# Altium PCB WX0.010.983PCB-4.2(1).PcbDoc (part 2 of 2) (continued)
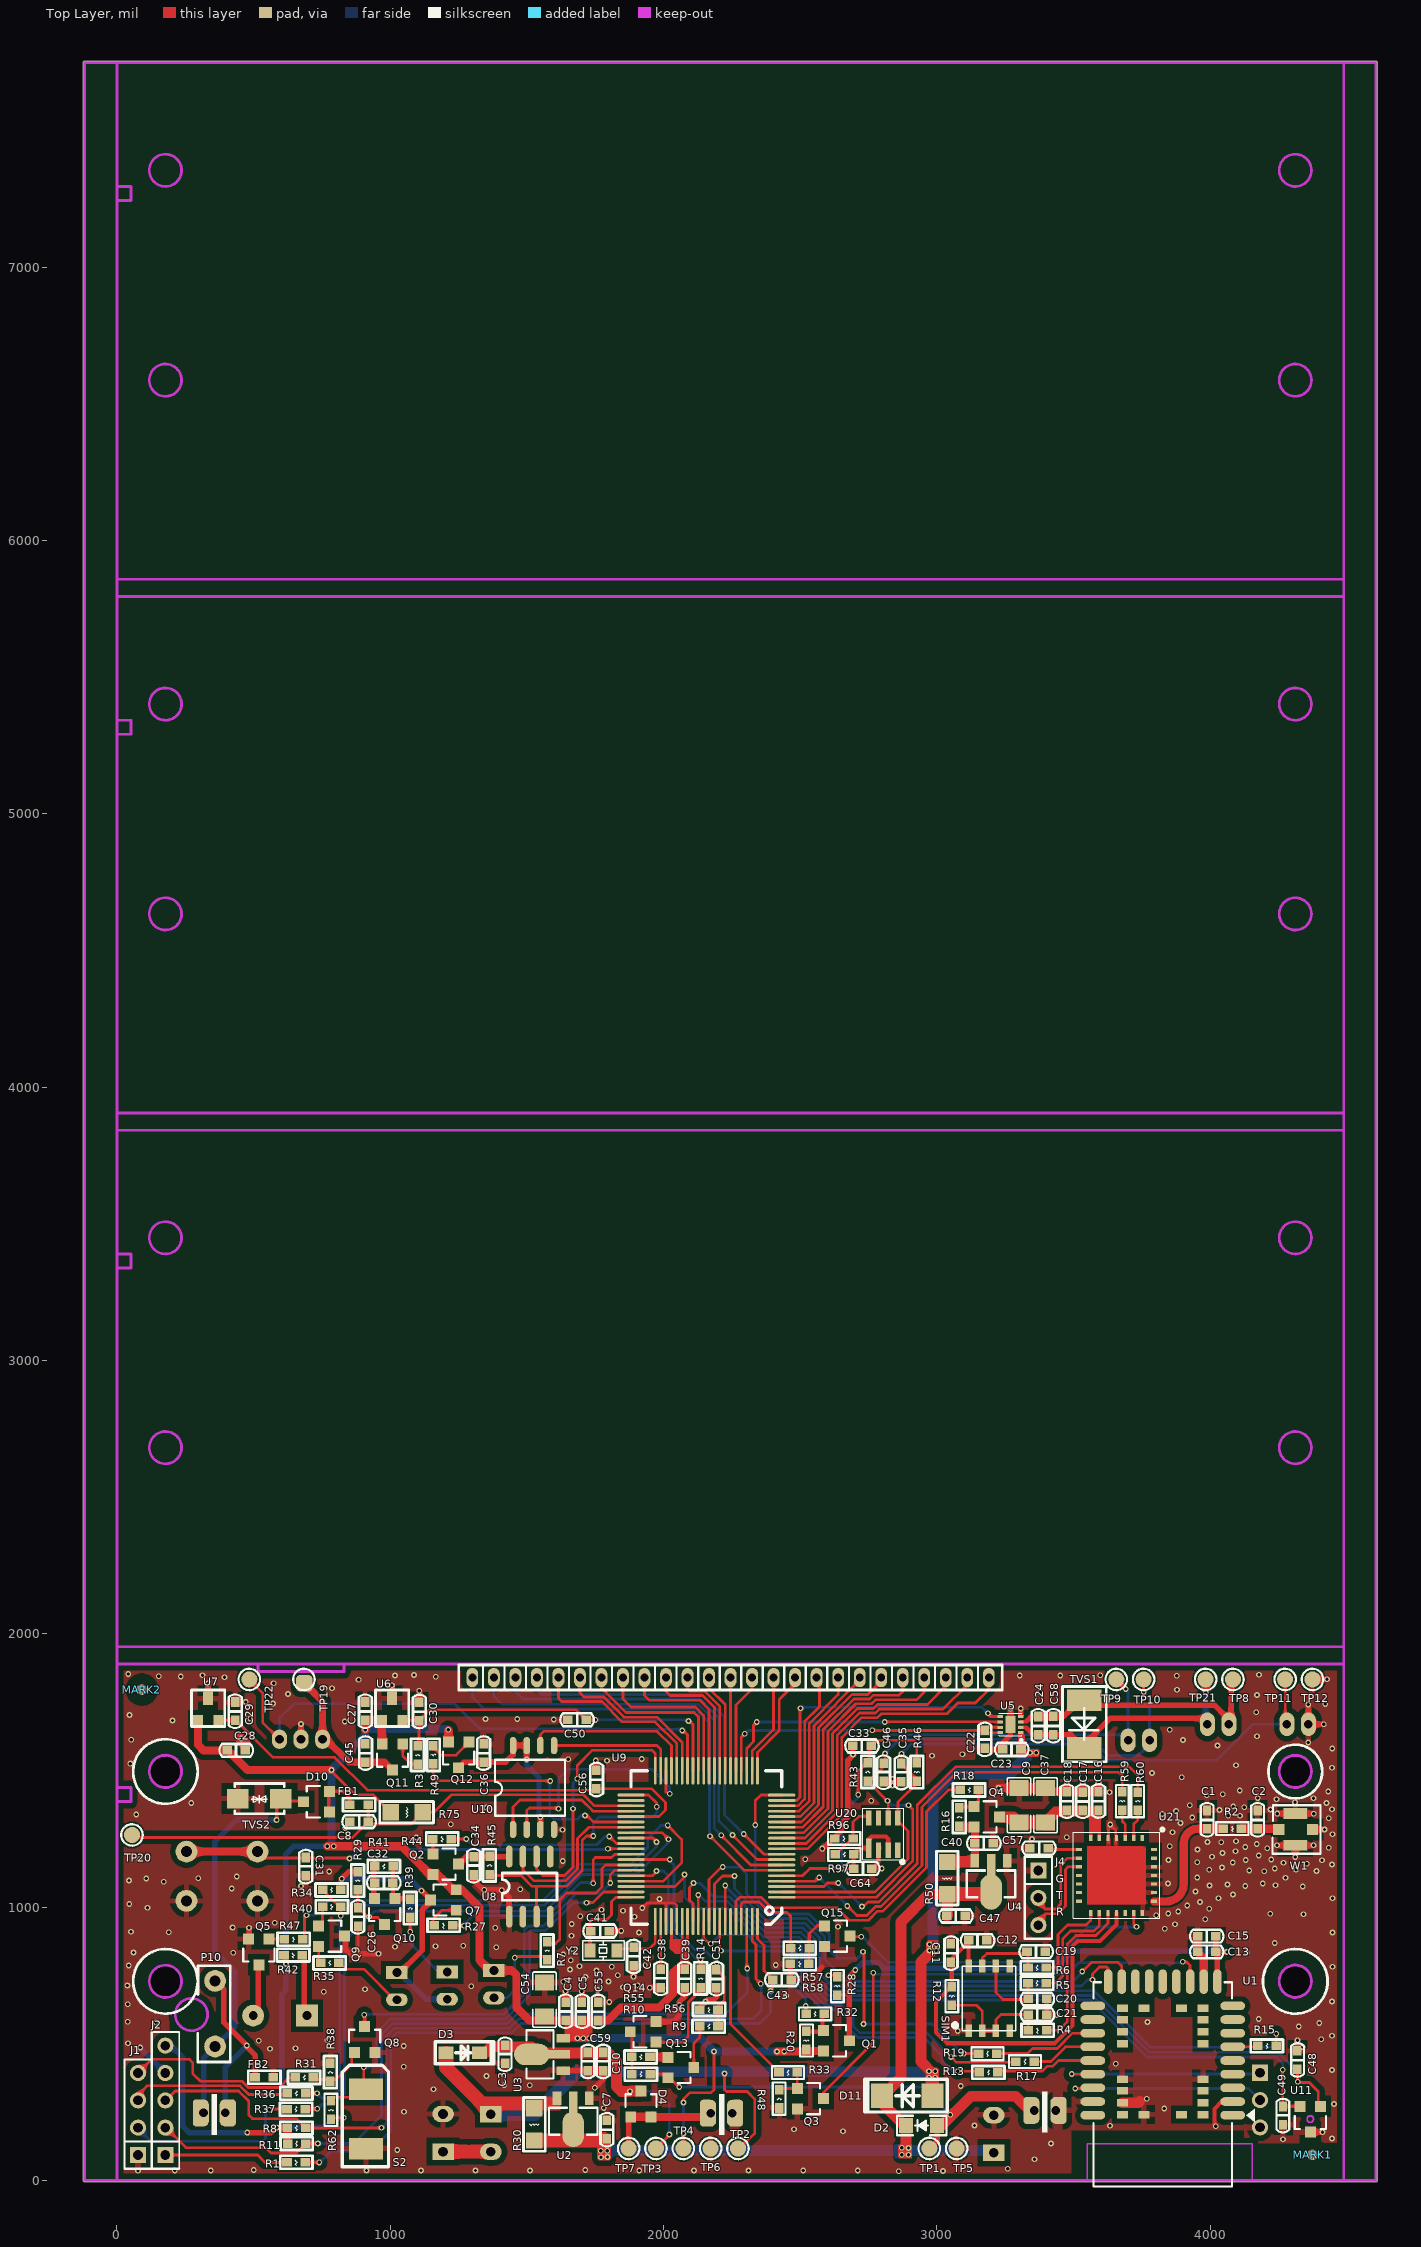
[diagram p0: Top Layer view]
## Nets (pads, with @x,y where several pads share a name; then routed paths per layer and width w, separated by ;. In a path a pad name is that pad's centre, name@x,y a point inside that pad or via, vN(x,y) a via of type N, cw(c..) or ccw(c..) an arc to the next point about the centre after c; other vN are vias at no path point) (continued)
RXD5: U1.17@3676.1,727.22 U9.71 | length 2041.9
  Top Layer w10: U9.71@2166.25,947.42 2166.25,1101.25 v1@2214,1149 ; v1(3531.67,764) 3565.67,798 3662,798 3676.1,783.9 U1.17@3676.1,727.22
  Bottom Layer w10: v1(2216,1147) 2217,1146 2278,1146 2303,1121 2303,1048.08 2393.08,958 2524.17,958 2589,893.17 2589,810 2616,783 2616.25,783 2635,764.25 2635,764 2671,728 3497,728 3534,765 v1@3533,765
S0: LCD1.5 U9.36 | length 677.7
  Top Layer w10: LCD1.5@1614.96,1840 1614.96,1764.04 1627,1752 1773.92,1752 1847.92,1678 1968.82,1678 2048.14,1598.68 U9.36@2048.14,1498.6
S1: LCD1.6 U9.35 | length 609.3
  Top Layer w10: LCD1.6@1693.7,1840 1693.7,1784.3 1709,1769 1780.96,1769 1854.96,1695 1975.87,1695 2067.83,1603.04 U9.35@2067.83,1498.6
S2: LCD1.7 U9.32 | length 635.1
  Top Layer w10: LCD1.7@1772.44,1840 1772.44,1801.56 1862,1712 2111.83,1712 2127.5,1696.33 2127.5,1499.22 U9.32@2126.88,1498.6
S3: LCD1.8 U9.31 | length 601.3
  Top Layer w10: LCD1.8@1851.18,1840 1851.18,1761.82 1881,1732 2115.88,1732 2146.57,1701.31 U9.31@2146.57,1498.6
S4: LCD1.9 U9.30 | length 547.7
  Top Layer w10: LCD1.9@1929.92,1840 1929.92,1774.08 1947,1757 2132,1757 2166.25,1722.75 U9.30@2166.25,1498.6
S5: LCD1.10 U9.29 | length 484
  Top Layer w10: LCD1.10@2008.66,1840 2008.66,1789.34 2024,1774 2142,1774 2185.94,1730.06 U9.29@2185.94,1498.6
S6: LCD1.11 U9.28 | length 422
  Top Layer w10: LCD1.11@2087.4,1840 2087.4,1798.6 2095,1791 2149.04,1791 2205.62,1734.42 U9.28@2205.62,1498.6
S7: LCD1.12 U9.27 | length 365.9
  Top Layer w10: LCD1.12@2166.14,1840 2166.14,1799.86 2225.31,1740.69 U9.27@2225.31,1498.6
S8: LCD1.13 U9.26 | length 338.3
  Top Layer w10: U9.26@2244.88,1501.71 LCD1.13@2244.88,1840
S9: LCD1.14 U9.25 | length 365.8
  Top Layer w10: U9.25@2264.68,1498.6 2264.68,1739.68 2323.62,1798.62 LCD1.14@2323.62,1840
S10: LCD1.15 U9.22 | length 374
  Top Layer w10: U9.22@2323.73,1498.6 2323.73,1570.73 2402.36,1649.36 LCD1.15@2402.36,1840
S11: LCD1.16 U9.21 | length 398.4
  Top Layer w10: U9.21@2343.42,1498.6 2343.42,1566.38 2423,1645.96 2423,1759 2481.1,1817.1 LCD1.16@2481.1,1840
S12: LCD1.17 U9.18 | length 565.5
  Top Layer w10: U9.18@2432,1370.65 2491.31,1370.65 2516,1395.33 2516,1679.04 2570,1733.04 2570,1829.84 LCD1.17@2559.84,1840
S13: LCD1.18 U9.17 | length 611.9
  Top Layer w10: U9.17@2432,1350.96 2495.67,1350.96 2533,1388.29 2533,1672 2638.58,1777.58 LCD1.18@2638.58,1840
S14: LCD1.19 U9.16 | length 666.8
  Top Layer w10: U9.16@2432,1331.28 2500.03,1331.28 2550,1381.25 2550,1663.25 2717.32,1830.57 LCD1.19@2717.32,1840
S15: LCD1.20 U9.15 | length 755.5
  Top Layer w10: U9.15@2432,1311.59 2504.38,1311.59 2567,1374.21 2567,1656.21 2688.79,1778 2746.66,1778 2796.06,1827.4 LCD1.20@2796.06,1840
S16: LCD1.21 U9.14 | length 865.2
  Top Layer w10: U9.14@2432,1291.91 2508.74,1291.91 2584,1367.17 2584,1649.17 2695.83,1761 2753.7,1761 2768.2,1775.5 2861.78,1775.5 2874.8,1788.53 LCD1.21@2874.8,1840
S17: LCD1.22 U9.13 | length 953.2
  Top Layer w10: U9.13@2432,1272.22 2513.1,1272.22 2601,1360.12 2601,1642.12 2702.88,1744 2760.74,1744 2775.24,1758.5 2925.5,1758.5 2953.54,1786.54 LCD1.22@2953.54,1840
S18: LCD1.23 U9.12 | length 1027.4
  Top Layer w10: U9.12@2432,1252.54 2517.45,1252.54 2618,1353.08 2618,1635.08 2709.92,1727 2767.78,1727 2782.28,1741.5 2965.5,1741.5 3032.28,1808.28 LCD1.23@3032.28,1840
S19: LCD1.24 U9.11 | length 1111.5
  Top Layer w10: U9.11@2432,1232.85 2521.81,1232.85 2635,1346.04 2635,1628.04 2716.96,1710 2774.82,1710 2789.32,1724.5 3022.5,1724.5 3111.02,1813.02 LCD1.24@3111.02,1840
S20: LCD1.25 U9.10 | length 1207.9
  Top Layer w10: U9.10@2432,1213.17 2526.17,1213.17 2652,1339 2652,1621 2724,1693 2781.87,1693 2796.37,1707.5 3036.58,1707.5 3076.08,1747 3140,1747 3189.76,1796.76 LCD1.25@3189.76,1840
SET: Q8.3 U9.55 | length 1392.9
  Top Layer w10: v1(905,606) 906,605 Q8.3@906,563.24 ; v1(1805,1088) 1805,1118.7 1820.72,1134.43 U9.55@1880.82,1134.43
  Bottom Layer w10: v1(905,606) 907,608 1414.96,608 1490,683.04 1490,917 1491,917 1505,931 1561.12,931 1680.12,1050 1767,1050 v1(1805,1088)
SIM_CLK: C20.1 R5.1 SIM1.6 | length 283.1
  Top Layer w10: SIM1.6@3215.57,784 3215.57,687.43 3241,662 C20.1@3331.51,662 ; R5.1@3328.09,715.09 3333,720 3333,669 C20.1@3331.51,667.51
SIM_DATA: C21.1 R4.2 R12.1 SIM1.2 SIM1.3 | length 475.7
  Top Layer w10: R12.1@3054,641 3144,641 3165.57,619.43 SIM1.2@3165.57,547.78 ; SIM1.3@3215.57,547.78 3215.57,588.57 3234,607 C21.1@3334.51,607 3334,606.49 R4.2@3334,549
  Top Layer w15: SIM1.2@3165.57,547.78 SIM1.3@3215.57,547.78 ; R4.2@3334.51,541.02 R4.2@3334.51,549
SIM_RST: C19.1 R6.1 SIM1.7 | length 262.7
  Top Layer w10: SIM1.7@3165.57,784 3165.57,813.57 3182.5,830.5 3323.01,830.5 C19.1@3329.51,837 3333,833.51 R6.1@3333,779
SLEEP: C22.2 U5.7 U5.8 U9.24 | length 1140.7
  Top Layer w10: U9.24@2284.36,1498.6 2284.36,1622.36 v1@2294,1632 ; v1(2763,1647) 2763.5,1646.5 3169.48,1646.5 C22.2@3170.49,1647.51 ; C22.2@3165.68,1638.32 U5.8@3231.6,1638.32 ; C22.2@3175,1655 3178,1658 U5.7@3231.6,1658
  Bottom Layer w10: v1(2297,1634) 2309.5,1646.5 2494.5,1646.5 2495,1647 v1(2763,1647)
SWCLK: J2.2 R11.2 U9.78 | length 2844.5
  Top Layer w10: J2.2@177,193 179,193 252,120 544,120 564,100 656,100 R11.2@691,135 v1(735,135) ; U9.78@2304.05,947.42 2304.05,776.95 v1(2306,775)
  Bottom Layer w10: v1(735,135) 864.75,135 968,238.25 968,533.96 1008.04,574 1429.04,574 1463.54,608.5 2226.5,608.5 2306,688 v1(2306,775)
SWIO: J2.3 R8.2 U9.79 | length 2980.8
  Top Layer w10: J2.3@177,293 179,293 213,327 445,327 482,290 482,239 495,226 656,226 R8.2@690,192 967,192 v1(968,193) ; U9.79@2323.73,947.42 2323.73,875.27 2338,861 2338,737.02 v1(2355,720)
  Bottom Layer w10: v1@971,194 985,208 985,526.92 1015.08,557 1436.08,557 1470.58,591.5 2326.8,591.5 2357,621.7 2357,718 v1(2355,720)
TXD5: R28.2 U1.18@3626.1,727.22 U9.72 | length 2002.2
  Top Layer w10: U9.72@2185.94,947.42 2185.94,1084.88 2215.05,1114 2255,1114 v1@2258,1111 ; v1(2603,751) 2629,751 R28.2@2635,745 ; v1(3568.67,734) 3568.67,755.67 3594,781 3621,781 3626.1,775.9 U1.18@3626.1,727.22
  Bottom Layer w10: v1(2259,1114) 2259,1068.04 2386.04,941 2517.12,941 2572,886.12 2572,755.04 2590.02,737.02 ; v1@2599,747 2590.02,738.02 2590.02,737.02 ; v1@3570,733 3551,733 3529,711 2616.04,711 2590.02,737.02
USIM_CLK: R5.2 U21.16 | length 407.8
  Top Layer w10: R5.2@3400,722 3435,722 3460,747 3460,884 3489,913 3574,913 3594.01,933.01 U21.16@3594.01,979.19
USIM_DATA: R4.1 U21.17 | length 591.7
  Top Layer w10: R4.1@3401,549 3445,549 3477,581 3477,865 3508,896 3581.04,896 3611.01,925.97 3611.01,926.5 3625.5,941 U21.17@3625.5,979.19
USIM_RST: R6.2 U21.15 | length 326.1
  Top Layer w10: R6.2@3400,779 3432,779 3443,790 3443,899.5 3478,934.5 3546,934.5 3562.51,951.01 U21.15@3562.51,979.19
USIM_VDD: C11.1 C12.1 R12.2 SIM1.8 U21.18 | length 1552.7
  Top Layer w15: R12.2@3054,708 R12.2@3054,709 ; SIM1.8@3111.08,779.51 SIM1.8@3115.57,784 3115.51,784.07 C12.1@3115.51,872.07 ; C12.1@3115.51,878 C12.1@3115.51,872.07 ; U21.18@3657,979.19 3657,937 3596.5,876.5 3516.08,876.5 3496.5,856.92 3496.5,566.5 3432,502 3036,502 2997,541 2997,652 R12.2@3054,709 ; R12.2@3054,709 3054,795.51 C11.1@3051,798.51 3051,807.56 C12.1@3115.51,872.07
VDD_EXT: C57.1 U21.8 | length 116.4
  Top Layer w10: C57.1@3406.49,1217 3413,1210.49 U21.8@3520.19,1210.49
VDD_XS: C13.1 C15.1 Q1.3 R28.1 U1.10@4026.1,727.22 | length 1926.9
  Top Layer w10: R28.1@2635,678 2676.24,678 2679.24,675
  Top Layer w15: Q1.3@2679.24,511 Q1.3@2683.24,515
  Top Layer w20: Q1.3@2679.24,511 2679.24,675 2679.24,746.24 v1@2696,763 ; C15.1@4020.5,893 C13.1@4020.5,836 ; U1.10@4026.1,727.22 4025,728.32 4025,831.5 C13.1@4020.5,836 ; v1(4061,836) C13.1@4020.5,836
  Bottom Layer w20: v1(2701,770) 2728,797 2785.89,797 2806.89,776 3432.11,776 3495.11,839 4059,839 v1@4062,836
VDD_XS_CTL: R32.1 U9.73 | length 613.4
  Top Layer w10: U9.73@2205.62,947.42 2205.62,844.38 v1(2210,840) v1@2211,839 ; R32.1@2521,610 v1@2521,633
  Bottom Layer w10: v1(2210,840) 2211,839 2466,839 2470,835 2470,712.79 2520,662.79 v1(2520,638)
VIN: D2.1 P1.2 Q13.2 R10.2 TP1.1 | length 1664.1
  Top Layer w10: R10.2@1951,389 2003.35,389 Q13.2@2015.76,376.6 ; Q13.2@2015.76,381.6 2055.35,342 v1(2057.18,342)
  Top Layer w20: TP1.1@2972,117 3001.17,146.17 D2.1@3001.17,195
  Top Layer w40: D2.1@3001.17,195 3011,195 3124,308 3288,308 P1.2@3340,256
  Bottom Layer w10: v1@2060.18,345 v1(2057.18,342) 2945,342 v1@3049,238
  other v1: 3049,240
VIN_ADC: C51.2 R9.2 R56.1 U9.53 | length 867.3
  Top Layer w10: U9.53@1880.82,1173.8 v1(2022,1173.8) ; v1@2194,800 v1(2194,796) 2194,771.51 2221.5,744.01 2221.5,658.37 2199,635.87 R56.1@2199,625 R9.2@2199,564
  Bottom Layer w10: v1(2022,1173.8) 2022,1171 2038,1155 2038,920 2116,842 2150.75,842 2194,798.75 v1(2194,796)
VIN_N: C7.1 C14.1 C47.1 D2.2 D11.2 R30.1 R50.1 U2.2 U4.2 | length 3025.5
  Top Layer w40: 2887,107 2887,195 2798.5,283.5 D11.2@2798.5,310 2802,310 2868,376 2868,946 2969,1047 R50.1@3038,1047 3038,970 C47.1@3036,968 ; C14.1@3205,98 C14.1@3208,101
  Top Layer w50: R30.1@1527,146 1779.49,146 1782,148.51 C7.1@1782,151.51 ; R50.1@3040,1048 U4.2@3173.74,1048
  Bottom Layer w40: v1(1794,109) 3200,109 C14.1@3208,101
  Bottom Layer w50: 1782,100 v1@1795,100
  other v1: 1771,85 1795,86 2871,94 2896,94 1770,109 2896,119 2871,120
WY_POW: C33.2 C64.2 P6.1 R43.1 R46.2 R97.2 TP9.1 U9.5 U20.1 U20.3 | length 2406.6
  Top Layer w10: U9.5@2432,1114.74 2508.74,1114.74 2535,1141 v1(2652,1141) C64.2@2695,1141 ; v1@2711,1416 2711,1497 2742,1528 R43.1@2747,1528 ; R43.1@2747,1534 2754,1534 C33.2@2754,1590 ; C33.2@2759.51,1590 2779.51,1610 v1(2811,1610) 2914,1610 2926,1598 R46.2@2926,1529.36 ; TP9.1@3656,1833 v1(3691,1798)
  Top Layer w15: C64.2@2695,1141 R97.2@2695,1193 ; R97.2@2696,1197 2699,1197 2717.91,1215.91 U20.1@2750.84,1215.91 ; U20.1@2750.84,1227 2750.84,1247.84 2761,1258 2813,1258 2821.71,1249.29 U20.3@2821.71,1214.03
  Bottom Layer w10: v1(2652,1141) 2652,1342 v1@2713,1403 ; v1(2811,1610) 2811,1624 2818,1631 3678.26,1631 P6.1@3699.26,1610 3699.26,1789.74 v1(3691,1798)
  other v1: 2712,1411
WY_SCL: C35.1 P7.1 R46.1 TP11.1 U9.2 U20.5 | length 2634.2
  Top Layer w10: U9.2@2432,1055.68 2773.69,1055.68 2894,1176 2894,1278.14 2857.14,1315 U20.5@2857.14,1326.14 2857.14,1384.14 R46.1@2926,1453 ; v1(2870,1561) 2869,1560 2869,1524.49 2928,1465.49 2928,1461 R46.1@2926,1461 2925,1461 R46.1@2925,1458 ; TP11.1@4274,1833 4274,1675.26 P7.1@4280.26,1669
  Bottom Layer w10: v1(2870,1561) 2906,1597 3558.96,1597 3618.27,1537.69 4024.69,1537.69 4156,1669 P7.1@4280.26,1669
WY_SDA: C46.1 P6.2 R43.2 TP10.1 U9.1 U20.6 | length 2402.8
  Top Layer w10: U9.1@2432,1036 2778.04,1036 2911,1168.96 2911,1358 v1(2896,1373) ; v1(2810,1562) 2811,1561 2811,1520.36 2748.82,1458.18 2821.71,1385.29 v1@2821.71,1384.29 ; U20.6@2821.71,1326.14 v1@2821.71,1383 ; TP10.1@3756,1833 3756,1784 3757,1785 v1(3757,1787)
  Bottom Layer w10: v1(2810,1562) 2862,1614 3566,1614 3625.31,1554.69 3737.69,1554.69 3778,1595 P6.2@3778,1610 3778,1762 3757,1783 v1(3757,1787) ; v1(2819,1389) 2835,1373 v1(2896,1373)
X1: R62.1 S2.1 U9.59 | length 1680.6
  Top Layer w10: R62.1@784,290 798.74,304.74 901.74,304.74 903,306 v1(903,414) 903,420.58 v1@904,421.58 ; v1@1719,1017 1741.3,1017 1779.98,1055.68 U9.59@1880.82,1055.68
  Bottom Layer w10: v1(903,414) 930,414 951,435 951,541 1001,591 1422,591 1510,679 1510,909 1515,914 1568.17,914 1670.17,1016 v1(1718,1016)
XS_R: P8.2 U1.25@3570.2,338.64 | length 758.7
  Top Layer w10: v1(3506,336) 3567.56,336 U1.25@3570.2,338.64
  Bottom Layer w10: v1(3506,336) 4140,336 P8.2@4182,294
XS_RST: R33.1 U9.75 | length 625.7
  Top Layer w10: U9.75@2244.99,947.42 2245,828.75 2244.99,572.01 R33.1@2422,395
XS_T: P8.1 U1.24@3570.2,388.64 | length 766.4
  Top Layer w10: v1@3495,389 3495.36,388.64 U1.24@3570.2,388.64
  Bottom Layer w10: v1(3493,389) 4177,389 P8.1@4182,394
XT1: C42.1 U9.61 Y2.1 | length 240.3
  Top Layer w10: Y2.1@1816,848 1948,848 1969.4,869.4 U9.61@1969.4,947.42
XT2: C41.2 U9.60 Y2.2 | length 367.9
  Top Layer w10: C41.2@1730,924.51 1730,949 1736,955 1793,955 1809,971 1809,1020 1825,1036 U9.60@1880.82,1036 ; Y2.2@1730.57,841 C41.2@1730.57,898.92 ; Y2.2@1731,842.08 C41.2@1731,912
pads on no net: MARK1.0 MARK1.1 MARK2.0 MARK2.1 SIM1.4 SIM1.5 U1.1 U1.2@3607.6,197.69 U1.2@4066.26,288.64 U1.3 U1.4 U1.5 U1.6@4066.26,488.64 U1.7 U1.8 U1.9 U1.10@4026.1,711.47 U1.11@3976.1,711.47 U1.12@3926.1,711.47 U1.13 U1.14 U1.15 U1.16 U1.17@3676.1,711.47 U1.18@3626.1,711.47 U1.19 U1.20 U1.21@3585.94,538.64 U1.22@3585.94,488.64 U1.23@3585.94,438.64 U1.24@3585.94,388.64 U1.25@3585.94,338.64 U1.26@3585.94,288.64 U1.27 U1.28 U1.32 U1.34 U1.35 U1.36 U1.37 U1.39 U1.40 U1.41 U1.42 U1.43 U1.44 U1.45 U1.46 U1.47 U8.2 U8.4 U8.5 U9.42 U20.4 U20.7 U21.1 U21.11 U21.12 U21.13 U21.14 U21.19 U21.27 U21.28

## Polygon pours and split planes (outlines as drawn)
GND on Bottom Layer "GND" (solid, remove dead copper, pour order 6): -1,1886 4,1891 4490,1891 4490,7 4485,2 2,2
GND on Top Layer "GND" (solid, remove dead copper, pour order 10): -2,1886 3,1891 4482,1891 4482,6 4487,1 4485,-1 -2,-1

## Keep-outs
Keep-Out Layer:
  circle w10: c4311.03,728.33 r59.06
  circle w10: c4311.03,1496.05 r59.06
  circle w10: c177.17,1496.08 r59.06
  circle w8: c177.16,729.36 r59.06
  circle w5: c4365.98,224 r11.81
  circle w5: c4365.98,224 r11.81
  circle w5: c4365.98,224 r11.81
  circle w5: c4365.98,225 r11.81
  circle w10: c4311.03,729.33 r59.06
  circle w10: c4311.03,1497.05 r59.06
  circle w10: c177.17,1497.08 r59.06
  circle w8: c177.16,729.36 r59.06
  circle w5: c4365.98,225 r11.81
  circle w10: c177.17,1496.08 r59.06
  circle w10: c4311.03,1496.05 r59.06
  circle w10: c4311.03,728.33 r59.06
  circle w10: c177.17,728.36 r59.06
  circle w10: c177.17,3448.84 r59.06
  circle w10: c4311.03,3448.81 r59.06
  circle w10: c4311.03,2681.09 r59.06
  circle w10: c177.17,2681.12 r59.06
  circle w10: c177.17,5401.59 r59.06
  circle w10: c4311.03,5401.56 r59.06
  circle w10: c4311.03,4633.85 r59.06
  circle w10: c177.17,4633.88 r59.06
  circle w10: c177.17,7354.35 r59.06
  circle w10: c4311.03,7354.32 r59.06
  circle w10: c4311.03,6586.6 r59.06
  circle w10: c177.17,6586.63 r59.06
  circle w10: c177.17,1496.08 r59.06
  circle w10: c4311.03,1496.05 r59.06
  circle w10: c4311.03,728.33 r59.06
  circle w10: c177.17,728.36 r59.06
  circle w10: c4311.03,728.33 r59.06
  circle w10: c4311.03,1496.05 r59.06
  circle w10: c177.17,1496.08 r59.06
  circle w8: c177.16,728.36 r59.06
  circle w5: c4365.98,224 r11.81
  circle w10: c4311.03,728.33 r59.06
  circle w10: c4311.03,1496.05 r59.06
  circle w10: c177.17,1496.08 r59.06
  circle w8: c177.16,728.36 r59.06
  circle w5: c4365.98,224 r11.81
  circle w10: c4311.03,728.33 r59.06
  circle w10: c4311.03,1496.05 r59.06
  circle w10: c177.17,1496.08 r59.06
  circle w8: c177.16,728.36 r59.06
  circle w5: c4365.98,224 r11.81
  circle w10: c4311.03,728.33 r59.06
  circle w10: c4311.03,1496.05 r59.06
  circle w10: c177.17,1496.08 r59.06
  circle w8: c177.16,729.36 r59.06
  circle w5: c4365.98,224 r11.81
  circle w5: c4365.98,224 r11.81
  circle w5: c4365.98,224 r11.81
  circle w5: c4365.98,225 r11.81
  circle w10: c4311.03,728.33 r59.06
  circle w10: c4311.03,1496.05 r59.06
  circle w10: c177.17,1496.08 r59.06
  circle w8: c177.16,729.36 r59.06
  circle w5: c4365.98,224 r11.81
  circle w5: c4365.98,224 r11.81
  circle w5: c4365.98,224 r11.81
  circle w5: c4365.98,225 r11.81
  circle w10: c4311.03,728.33 r59.06
  circle w10: c4311.03,1496.05 r59.06
  circle w10: c177.17,1496.08 r59.06
  circle w8: c177.16,729.36 r59.06
  circle w5: c4365.98,224 r11.81
  circle w5: c4365.98,224 r11.81
  circle w5: c4365.98,224 r11.81
  circle w5: c4365.98,225 r11.81
  lines w5: 3551,1 3550,2 3550,134 4153,134 ; 3690,-1 3715,-1 ; 3690,-1 3715,-1 ; 3690,-1 3715,-1 ; 3690,-1 3715,-1 ; 4153,1 4153,134 ; 4153,1 4153,134 ; 4153,1 4153,134 ; 4153,1 4153,134
  lines w10: 4488.19,3842.51 4488.19,1952.76 0,1952.76 0,3338.58 51.18,3338.58 51.18,3389.76 0,3389.76 0.01,3842.54 4488.2,3842.52 ; 4488.19,5795.26 4488.19,3905.51 0,3905.51 0,5291.34 51.18,5291.34 51.18,5342.52 0,5342.52 0.01,5795.29 4488.2,5795.28 ; -118.1,0.01 -118.1,7748.05 -0.01,7748.05 ; -118.11,0 -118.1,0.01 ; -118.11,0 0,0 ; 0,0 4488.19,0 ; 0,0 0,7748.04 ; 0,0 4488.19,0 ; 0,0 4488.19,0 ; 0,0 4488.19,0 ; 0,0 4488.19,0 ; 0.01,1.99 0.01,1889.78 ; 0.01,1.99 0.01,1889.78 ; 0.01,1.99 0.01,1889.78 ; 0.01,1.99 0.01,1889.78 ; 0,1385.83 51.18,1385.83 ; 0,1385.83 51.18,1385.83 ; 0,1385.83 51.18,1385.83 ; 0,1385.83 51.18,1385.83 ; 0,1385.83 51.18,1385.83 ; 0,1385.83 51.18,1385.83 ; 0,1385.83 51.18,1385.83 ; 0,1385.83 51.18,1385.83 ; 0,1385.83 51.18,1385.83 ; 0,1385.83 51.18,1385.83 ; 0,1385.83 51.18,1385.83 ; 0,1385.83 51.18,1385.83 ; 0,1385.83 51.18,1385.83 ; 0,1385.83 51.18,1385.83 ; 0,1385.83 51.18,1385.83 ; 0,1385.83 51.18,1385.83 ; 0,1385.83 51.18,1385.83 ; 0,1385.83 51.18,1385.83 ; 0,1385.83 51.18,1385.83 ; 0,1385.83 51.18,1385.83 ; 0,1385.83 51.18,1385.83 ; 0,1385.83 51.18,1385.83 ; 0,1385.83 51.18,1385.83 ; 0,1385.83 51.18,1385.83 ; 0,1385.83 51.18,1385.83 ; 0,1386.83 51.18,1386.83 ; 0,1386.83 51.18,1386.83 ; 0,1386.83 51.18,1386.83 ; 0,1386.83 51.18,1386.83 ; 0,1386.83 51.18,1386.83 ; 0,1437.01 51.18,1437.01 ; 0,1437.01 51.18,1437.01 ; 0,1437.01 51.18,1437.01 ; 0,1437.01 51.18,1437.01 ; 0,1437.01 51.18,1437.01 ; 0,1437.01 51.18,1437.01 ; 0,1437.01 51.18,1437.01 ; 0,1437.01 51.18,1437.01 ; 0,1437.01 51.18,1437.01 ; 0,1437.01 51.18,1437.01 ; 0,1437.01 51.18,1437.01 ; 0,1437.01 51.18,1437.01 ; 0,1437.01 51.18,1437.01 ; 0,1437.01 51.18,1437.01 ; 0,1437.01 51.18,1437.01 ; 0,1437.01 51.18,1437.01 ; 0,1437.01 51.18,1437.01 ; 0,1437.01 51.18,1437.01 ; 0,1437.01 51.18,1437.01 ; 0,1437.01 51.18,1437.01 ; 0,1437.01 51.18,1437.01 ; 0,1437.01 51.18,1437.01 ; 0,1437.01 51.18,1437.01 ; 0,1437.01 51.18,1437.01 ; 0,1437.01 51.18,1437.01 ; 0,1438.01 51.18,1438.01 ; 0,1438.01 51.18,1438.01 ; 0,1438.01 51.18,1438.01 ; 0,1438.01 51.18,1438.01 ; 0,1438.01 51.18,1438.01 ; 0.01,1889.78 4488.2,1889.77 ; 0.01,1889.78 4488.2,1889.77 ; 0.01,1889.78 4488.2,1889.77 ; 0.01,1889.78 4488.2,1889.77 ; 0.01,1889.78 4488.2,1889.77 ; 0.01,1889.78 4488.2,1889.77 ; 0.01,1889.78 4488.2,1889.77 ; 0.01,1889.78 4488.2,1889.77 ; 0.01,1889.78 4488.2,1889.77 ; 0.01,1889.78 4488.2,1889.77 ; 0.01,7748.05 4488.2,7748.03 ; 0.01,7748.05 0.01,7295.28 51.18,7295.28 51.18,7244.09 0,7244.09 0,5858.27 4488.19,5858.27 4488.19,7748.02 ; -0.01,7748.05 0,7748.04 ; 51.18,1385.83 51.18,1437.01 ; 51.18,1385.83 51.18,1437.01 ; 51.18,1385.83 51.18,1437.01 ; 51.18,1385.83 51.18,1437.01 ; 51.18,1385.83 51.18,1437.01 ; 51.18,1385.83 51.18,1437.01 ; 51.18,1385.83 51.18,1437.01 ; 51.18,1385.83 51.18,1437.01 ; 51.18,1385.83 51.18,1437.01 ; 51.18,1385.83 51.18,1437.01 ; 51.18,1385.83 51.18,1437.01 ; 51.18,1385.83 51.18,1437.01 ; 51.18,1385.83 51.18,1437.01 ; 51.18,1385.83 51.18,1437.01 ; 51.18,1385.83 51.18,1437.01 ; 51.18,1385.83 51.18,1437.01 ; 51.18,1385.83 51.18,1437.01 ; 51.18,1385.83 51.18,1437.01 ; 51.18,1385.83 51.18,1437.01 ; 51.18,1385.83 51.18,1437.01 ; 51.18,1385.83 51.18,1437.01 ; 51.18,1385.83 51.18,1437.01 ; 51.18,1385.83 51.18,1437.01 ; 51.18,1385.83 51.18,1437.01 ; 51.18,1385.83 51.18,1437.01 ; 51.18,1386.83 51.18,1438.01 ; 51.18,1386.83 51.18,1438.01 ; 51.18,1386.83 51.18,1438.01 ; 51.18,1386.83 51.18,1438.01 ; 51.18,1386.83 51.18,1438.01 ; 515.77,1861.05 830.73,1861.05 ; 515.77,1861.05 515.77,1888.78 ; 515.77,1861.05 830.73,1861.05 ; 515.77,1861.05 515.77,1888.78 ; 515.77,1861.05 830.73,1861.05 ; 515.77,1861.05 515.77,1888.78 ; 515.77,1861.05 515.77,1888.78 ; 515.77,1861.05 830.73,1861.05 ; 515.77,1861.05 515.77,1888.78 ; 515.77,1861.05 830.73,1861.05 ; 515.77,1861.05 515.77,1888.78 ; 515.77,1861.05 830.73,1861.05 ; 515.77,1861.05 830.73,1861.05 ; 515.77,1861.05 515.77,1888.78 ; 515.77,1861.05 830.73,1861.05 ; 515.77,1861.05 515.77,1888.78 ; 515.77,1861.05 830.73,1861.05 ; 515.77,1861.05 515.77,1888.78 ; 515.77,1861.05 830.73,1861.05 ; 515.77,1861.05 515.77,1888.78 ; 515.77,1861.05 830.73,1861.05 ; 515.77,1861.05 515.77,1888.78 ; 515.77,1861.05 830.73,1861.05 ; 515.77,1861.05 515.77,1888.78 ; 515.77,1861.05 830.73,1861.05 ; 515.77,1861.05 515.77,1888.78 ; 515.77,1861.05 830.73,1861.05 ; 515.77,1861.05 515.77,1888.78 ; 515.77,1861.05 830.73,1861.05 ; 515.77,1861.05 515.77,1888.78 ; 515.77,1862.05 830.73,1862.05 ; 515.77,1862.05 515.77,1889.78 ; 515.77,1862.05 515.77,1889.78 ; 515.77,1862.05 830.73,1862.05 ; 515.77,1862.05 830.73,1862.05 ; 515.77,1862.05 515.77,1889.78 ; 515.77,1862.05 830.73,1862.05 ; 515.77,1862.05 515.77,1889.78 ; 515.77,1862.05 830.73,1862.05 ; 515.77,1862.05 515.77,1889.78 ; 830.73,1861.05 830.73,1888.78 ; 830.73,1861.05 830.73,1888.78 ; 830.73,1861.05 830.73,1888.78 ; 830.73,1861.05 830.73,1888.78 ; 830.73,1861.05 830.73,1888.78 ; 830.73,1861.05 830.73,1888.78 ; 830.73,1861.05 830.73,1888.78 ; 830.73,1861.05 830.73,1888.78 ; 830.73,1861.05 830.73,1888.78 ; 830.73,1861.05 830.73,1888.78 ; 830.73,1861.05 830.73,1888.78 ; 830.73,1861.05 830.73,1888.78 ; 830.73,1861.05 830.73,1888.78 ; 830.73,1861.05 830.73,1888.78 ; 830.73,1861.05 830.73,1888.78 ; 830.73,1862.05 830.73,1889.78 ; 830.73,1862.05 830.73,1889.78 ; 830.73,1862.05 830.73,1889.78 ; 830.73,1862.05 830.73,1889.78 ; 830.73,1862.05 830.73,1889.78 ; 4488.21,0 4606.31,0 4606.31,7748.04 4488.2,7748.05 ; 4488.2,0.01 4488.2,7748.05 ; 4488.2,1.8 4488.2,1889.77 ; 4488.2,1.8 4488.2,1889.77 ; 4488.2,1.8 4488.2,1889.77 ; 4488.2,1.8 4488.2,1889.77

## Other copper
Top Layer:
  pour cut-out: 1766,796 1792,796 1792,808
  region net R: 3297,1663 3330,1663 3352,1641 3367,1641 3367,1624 3366,1623 3349,1623 3320,1652 3297,1652
  region net B: 3320,1683 3344,1707 3374,1707 3374,1688 3348,1688 3332,1672 3302,1672 3302,1683
  region net 5V: 3308,1641 3321,1628 3321,1588 3297,1588 3297,1640 3298,1641
  pour cut-out: 3492,184 4124,184 4124,134 4492,138 4488,134 4488,2 3492,2
  region net 5V: 3291,1578 3291,1559 3299,1551 3370,1551 3375,1556 3375,1574 3371,1578
  region net 3.3V: 2023,881 2023,848 2042,829 2092,829 2093,830 2093,881 2092,882 2024,882
  region net 3.3V: 1638,509 1638,598 1739,598 1739,514 1734,509
  region net VIN_N: 1761,171 1802,171 1807,166 1807,79 1801,73 1763,73 1757,79 1757,168
  region net VIN_N: 2907,82 2908,83 2908,131 2907,132 2863,132 2859,128 2859,87 2864,82
  region net 5V: 2959,332 2959,406 2965,412 3000,412 3006,406 3006,332
  region net 5V: 3010,829 3010,871 3003,878 2968,878 2960,870 2960,829
  region net GPRS_3.6V: 3599,1271 3557,1271 3557,1322.2 3550,1332 3447,1332 3431.02,1316.03 3431,1281 3388,1281 3376,1291 3375.7,1307.02 3375.75,1315.95 3427.08,1367 3599,1367
  pour cut-out: 192,596 192,537 207,522 228,543 228,551
  region net 5V: 1621,306 1342,306 1342,231 1407,231 1408,230 1408,251 1413,256 1621,256
  pour cut-out: 1477,228 1477,175 1510,175 1510,228
  pour cut-out: 4212.39,1490.43 ccw(c4310.81,1490.43) 4310.81,1392 ccw(c4310.81,1490.43) 4409.24,1490.43 ccw(c4310.81,1490.43) 4310.81,1588.85 ccw(c4310.81,1490.43)
  pour cut-out: 58.14,1497.27 ccw(c176.25,1497.27) 176.25,1379.16 ccw(c176.25,1497.27) 294.36,1497.27 ccw(c176.25,1497.27) 176.25,1615.38 ccw(c176.25,1497.27)
  pour cut-out: 57.11,727.77 ccw(c175.22,727.77) 175.22,609.66 ccw(c175.22,727.77) 293.33,727.77 ccw(c175.22,727.77) 175.22,845.88 ccw(c175.22,727.77)
  pour cut-out: 4194.06,727.08 ccw(c4312.17,727.08) 4312.17,608.97 ccw(c4312.17,727.08) 4430.28,727.08 ccw(c4312.17,727.08) 4312.17,845.19 ccw(c4312.17,727.08)
Bottom Layer:
  pour cut-out: 3492,185 4125,185 4125,138 4489,138 4489,1 3492,1
  region net 3.3V: 1759,535 1679,535 1674,530 1674,510 1679,505 1743,505 1759,521
  region net VIN_N: 1765,124 1806,124 1810,120 1810,81 1802,73 1763,73 1757,79 1757,116
  region net VIN_N: 2846,82 2846,132 2902,132 2909,125 2909,88 2903,82
  region net 5V: 2960,367 2964,363 3001,363 3006,368 3006,406 2999,413 2965,413 2960,408
  region net 5V: 2960,870 2960,835 2967,828 3002,828 3010,836 3010,871 3004,877 2967,877
  region net 5V: 3375,1576 3375,1556 3369,1550 3347,1550 3306,1509 3267,1509 3267,1518 3328,1579 3372,1579
  pour cut-out: 192,596 192,537 206,523 206,521 207,521 229,543 228,544 228,551
  region net 3.3V: 761,1235 757,1231 757,1215 761,1211 800,1211 805,1216 805,1231 801,1235
  pour cut-out: 4203.06,1497.31 ccw(c4311.33,1497.31) 4311.33,1389.05 ccw(c4311.33,1497.31) 4419.59,1497.31 ccw(c4311.33,1497.31) 4311.33,1605.58 ccw(c4311.33,1497.31)
  pour cut-out: 69.47,1496.01 ccw(c177.73,1496.01) 177.73,1387.74 ccw(c177.73,1496.01) 286,1496.01 ccw(c177.73,1496.01) 177.73,1604.28 ccw(c177.73,1496.01)
  pour cut-out: 68.76,728.05 ccw(c177.03,728.05) 177.03,619.78 ccw(c177.03,728.05) 285.3,728.05 ccw(c177.03,728.05) 177.03,836.32 ccw(c177.03,728.05)
  pour cut-out: 4204.76,726.05 ccw(c4313.03,726.05) 4313.03,617.78 ccw(c4313.03,726.05) 4421.3,726.05 ccw(c4313.03,726.05) 4313.03,834.32 ccw(c4313.03,726.05)

## Silkscreen, mask and mechanical layers (free items; w line width, h text height)
Top Overlay:
  circle w10: c4311.02,728.33 r118.11
  circle w10: c4311.03,1496.05 r98.43
  circle w10: c177.17,1496.08 r118.11
  circle w10: c177.16,728.36 r118.11
  lines w5: 227,543 227,45 229,43
  text "G" at 3434,1089 h30
  text "T" at 3437,1029 h30
  text "R" at 3437,969 h30
Bottom Overlay:
  circle w10: c177.17,1496.08 r118.11
  circle w10: c177.16,728.36 r118.11
  circle w10: c4311.02,728.33 r118.11
  circle w10: c4311.03,1496.05 r118.11
  circle w10: c383.86,1112.86 r305.12
  text "G" at 4377,1743 h30
  text "CHK" at 4266,1733 h30 r270
  text "光电" at 492,1567 h90
  text "B" at 4003,1518 h40
  text "R" at 4080,1517 h40
  text "SDA" at 3757,1414 h40 r270
  text "POW" at 3676,1413 h40 r270
  text "WX0.010.983PCB-4.2" at 4439,1199 h50
  text "102010402-0250" at 4443,1129 h50
  text "2025-3-31" at 4437,1056 h50
  text "WLWn-P90" at 4430,992 h50
  text "V1" at 4428,919 h50
  text "+" at 1339,817 h30 r270
  text "+" at 1156,816 h30 r270
  text "+" at 984,815 h30 r270
  text "-" at 464,740 h50
  text "S" at 53,593 h30
  text "黑" at 1226,566 h60
  text "白" at 1029,564.58 h60
  text "灯" at 1394,564.78 h60
  text "T" at 52,543 h30
  text "R" at 52,499 h30
  text "V" at 265,496 h30
  text "G" at 50,451 h30
  text "G" at 265,450 h30
  text "+" at 429,434 h50 r270
  text "I" at 259,402 h30
  text "T" at 4291,395 h30
  text "主电" at 3456,392 h90
  text "备电" at 2315,383 h90
  text "119" at 414,365 h90
  text "-" at 3517,365 h50
  text "+" at 3246,364 h50 r270
  text "C" at 264,362 h30
  text "+" at 280,324 h50 r270
  text "R" at 261,321 h30
  text "-" at 421,313 h50
  text "+" at 2129,310 h50 r270
  text "-" at 2259,300 h50
  text "-" at 1213,287 h50
  text "R" at 4284,281 h30
  text "-" at 3227,274 h50
  text "G" at 4285,176 h30
  text "+" at 1175,30 h50 r270

## Text inside footprints (layer, text, board x,y; h text height)
B1: Bottom Overlay "+" at 795,733 h30
C6: Bottom Overlay "-" at 1363,44 h30 r180; Bottom Overlay "+" at 1382,296 h50 r90
C14: Bottom Overlay "+" at 3171,6 h80 r270
LCD1: Bottom Overlay "1" at 1198.48,1752.89 h30; Bottom Overlay "25" at 3384.62,1752.89 h30